# Altium PCB OZ440-SE140-CAR001.PcbDoc (part 1 of 2) (continued)
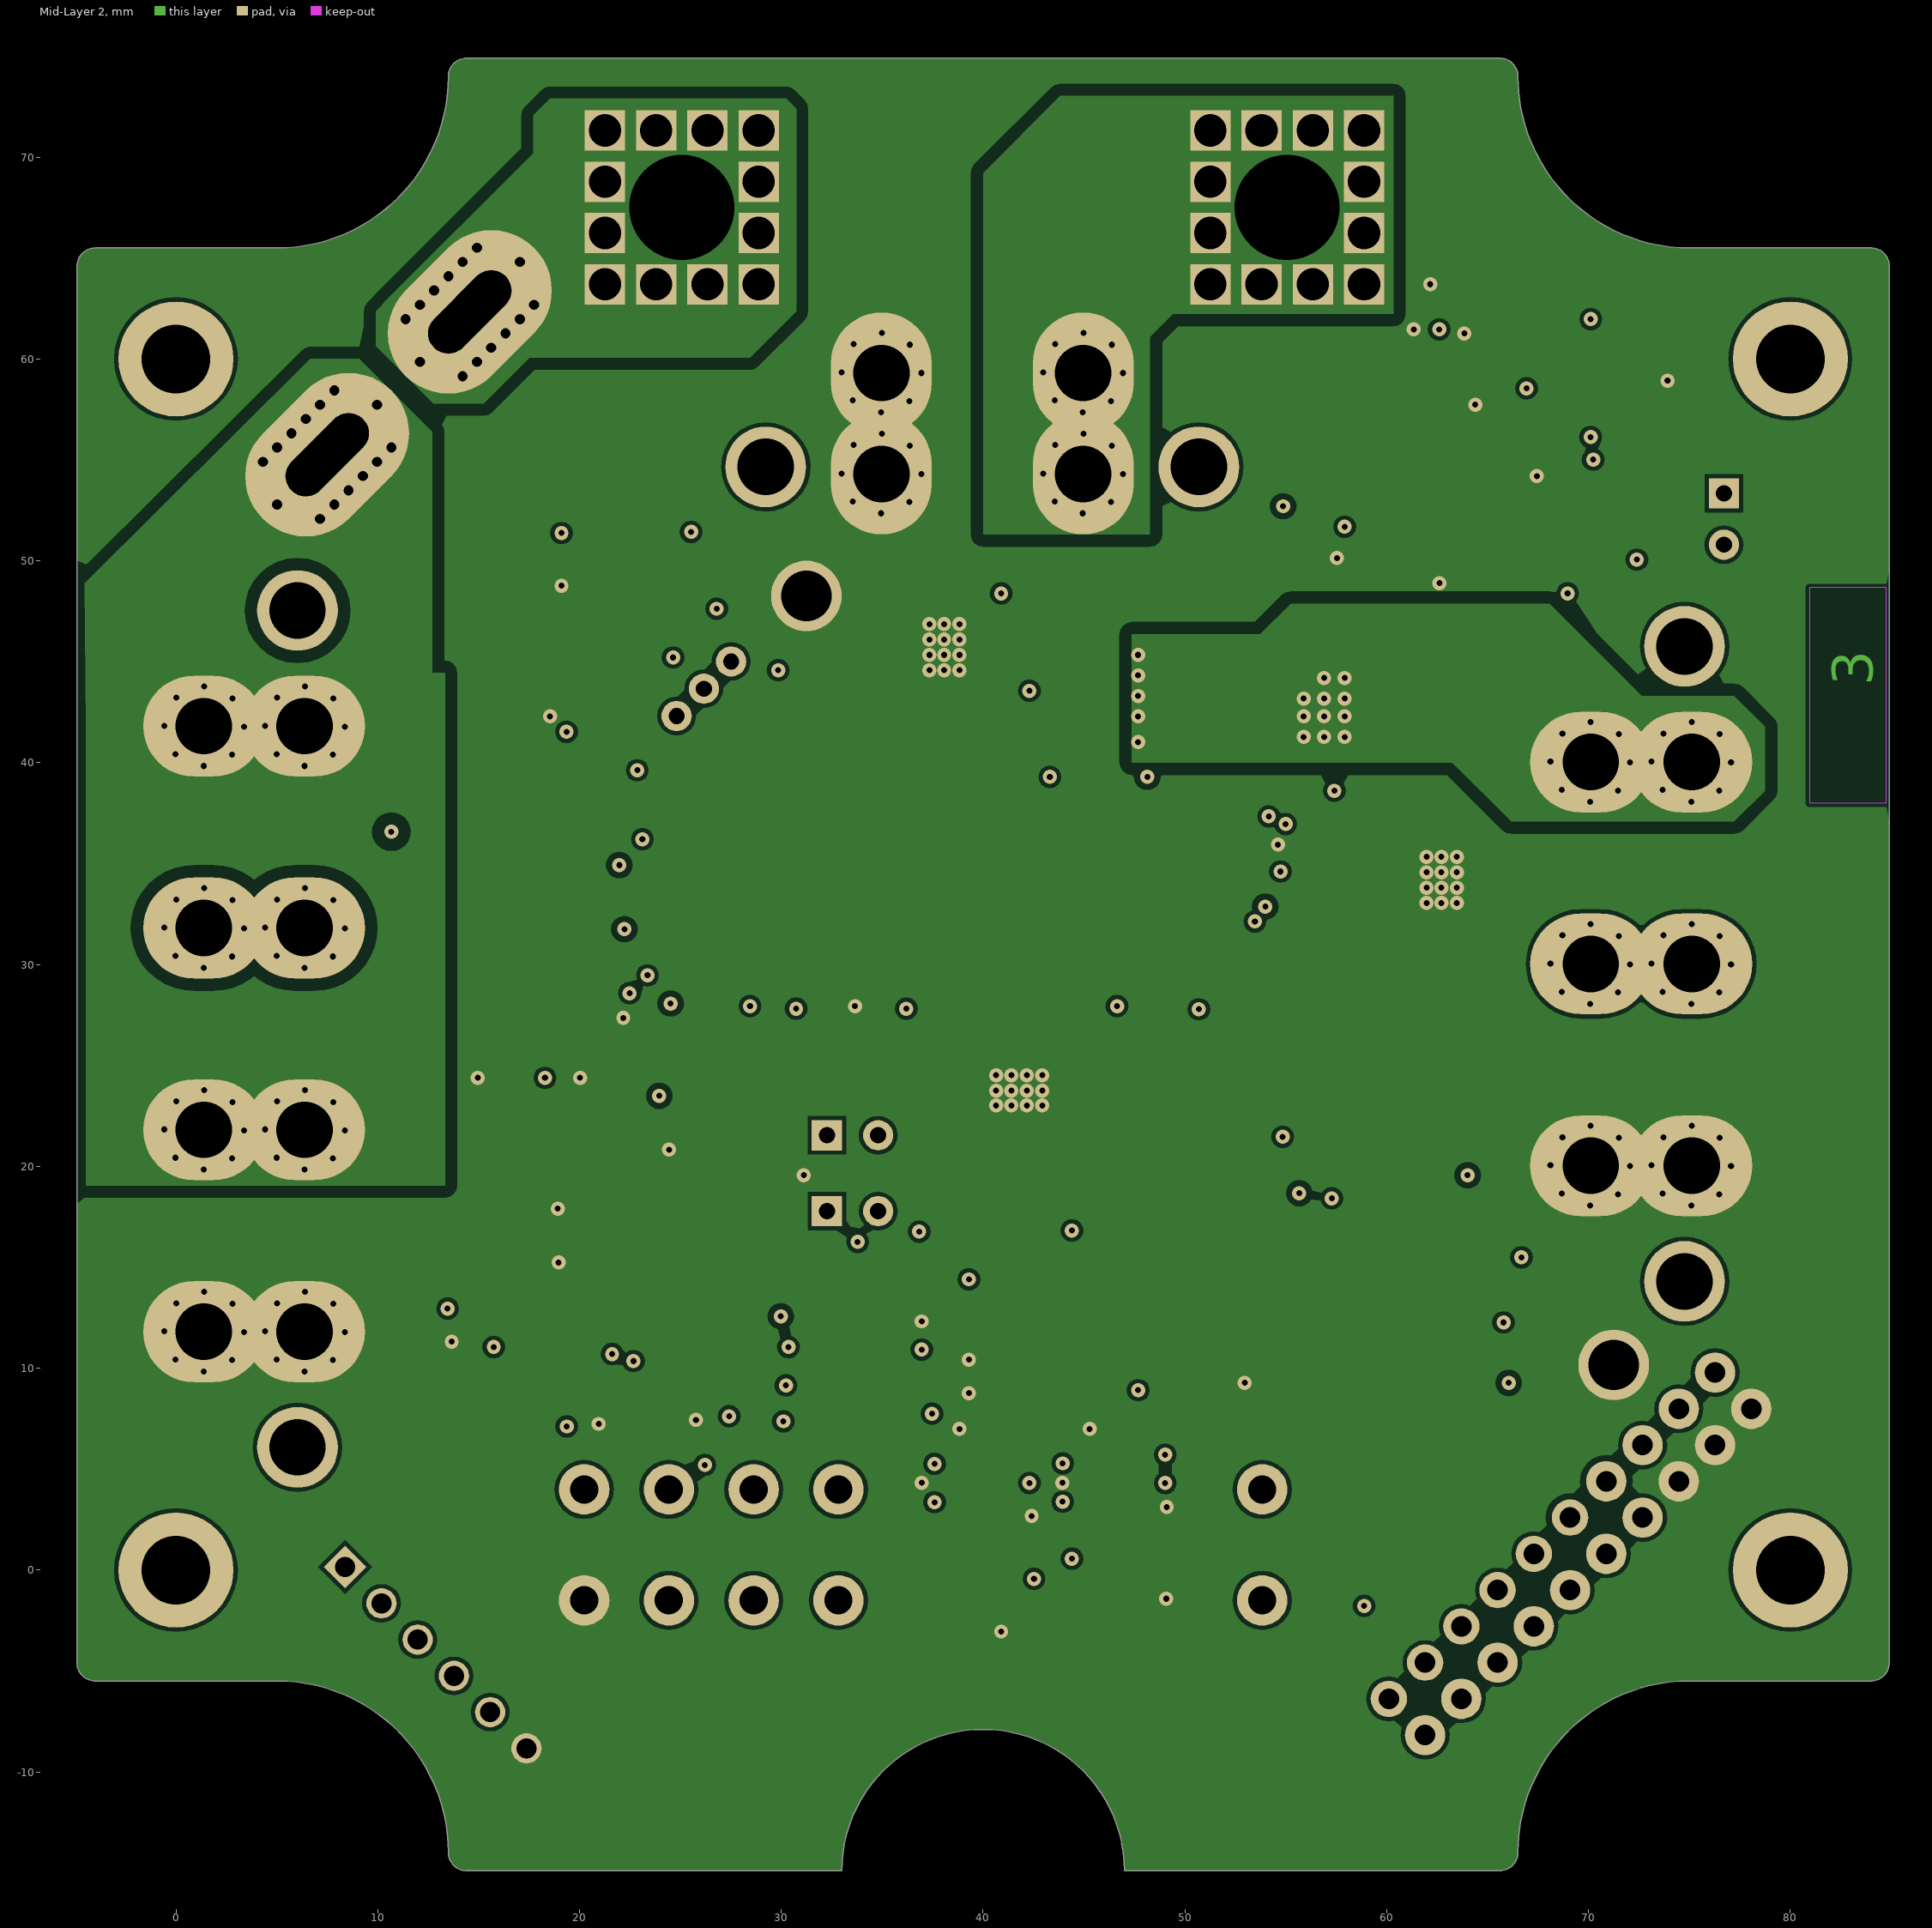
[diagram p3: Mid-Layer 2]
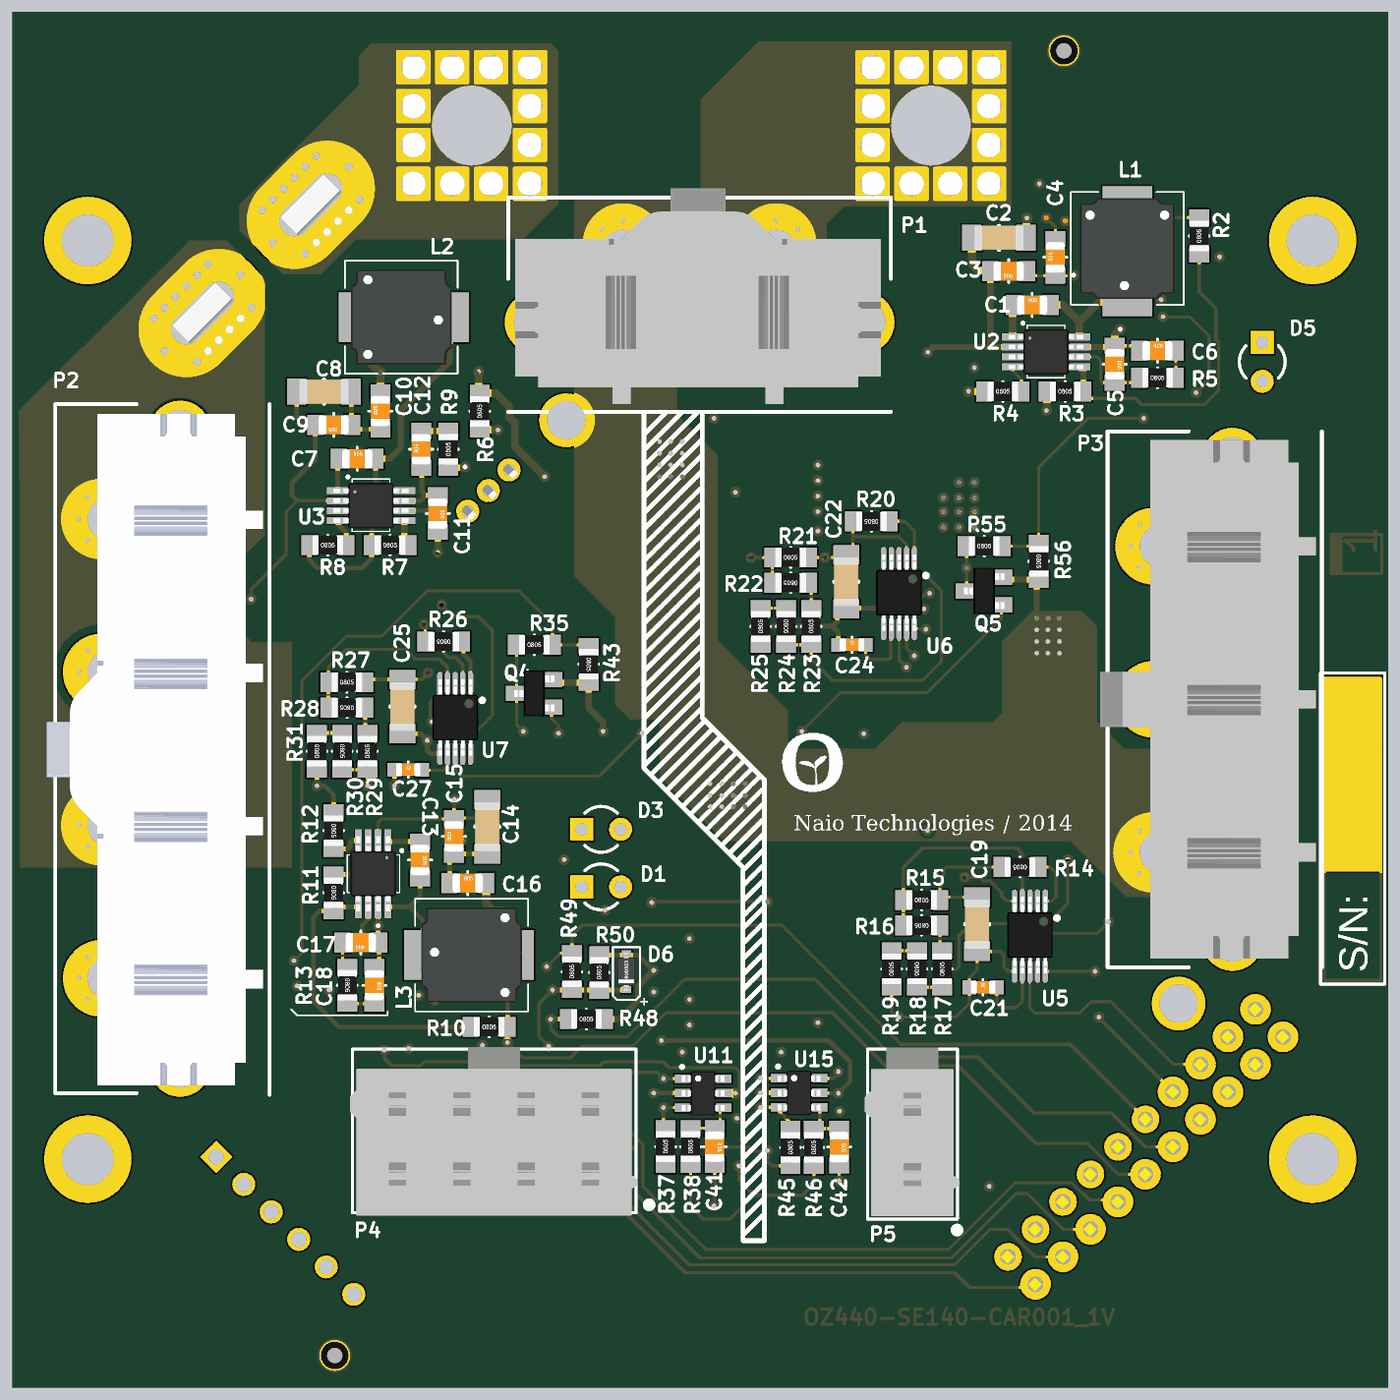
[diagram p5: 3D render of the assembled board from above, using the file's embedded part models]
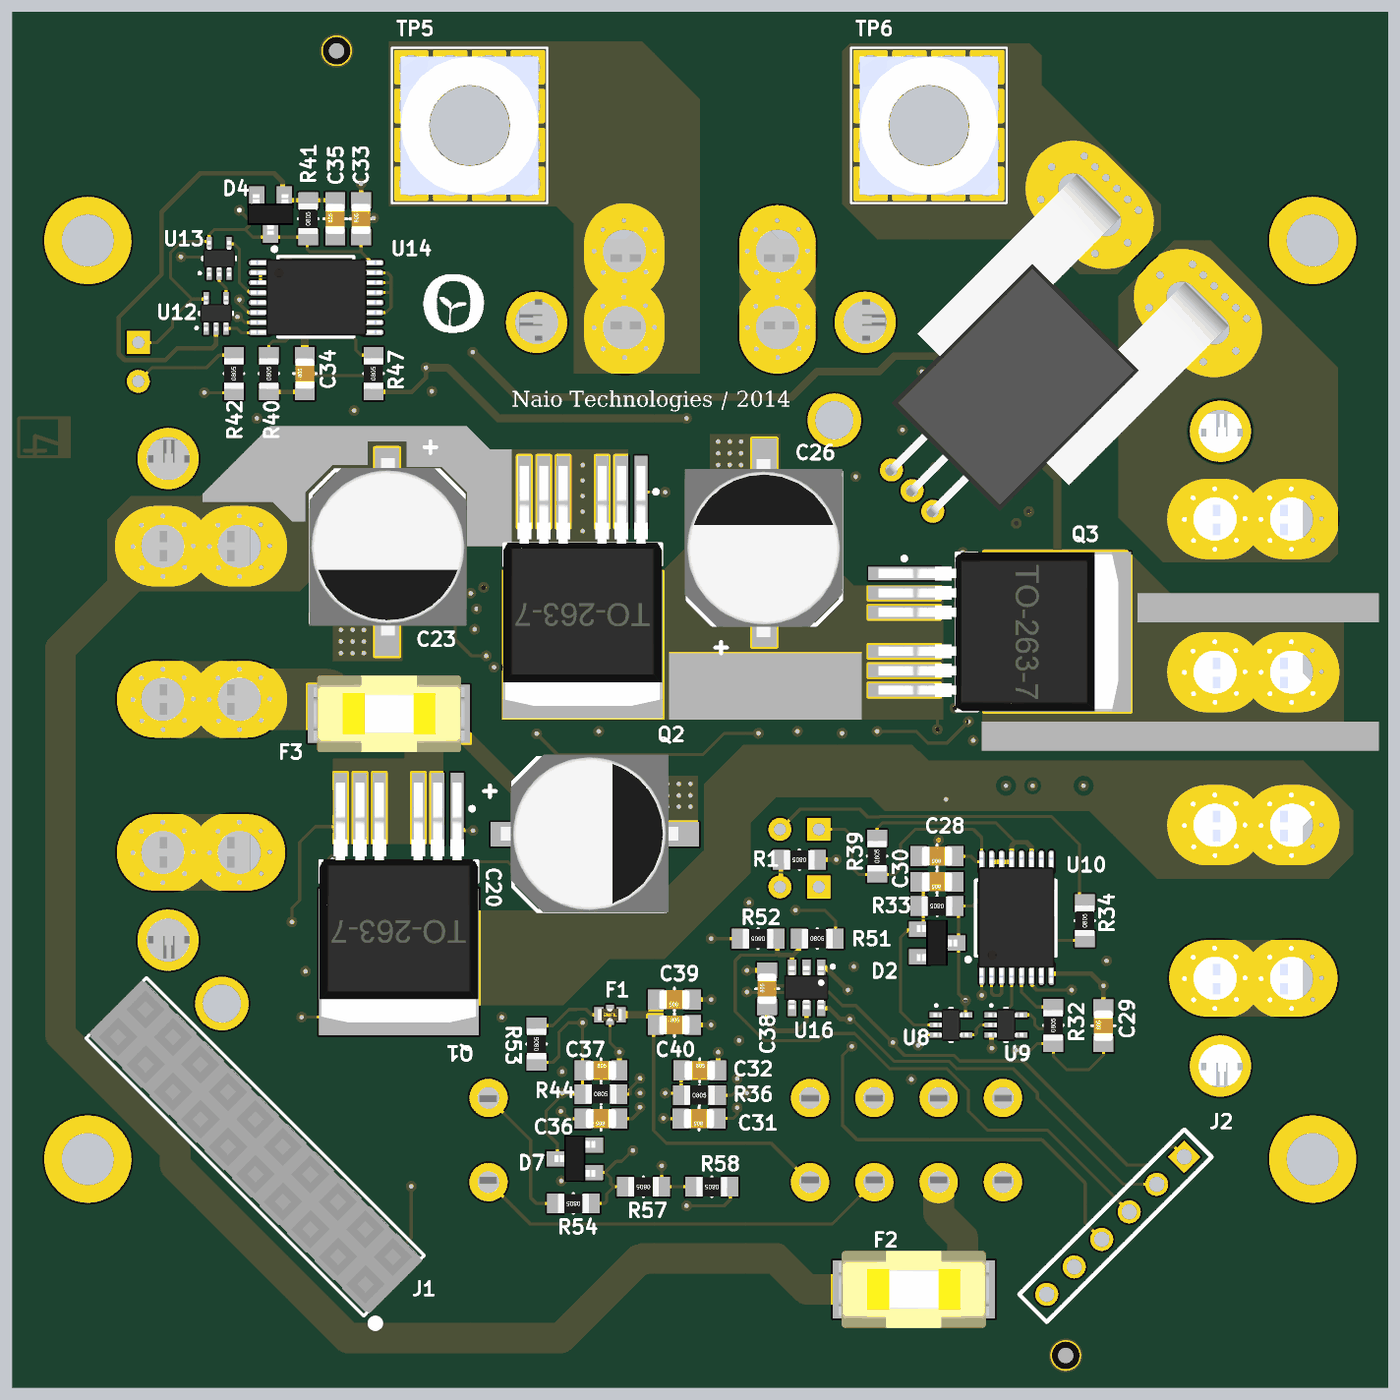
[diagram p6: 3D render of the assembled board from below, using the file's embedded part models]

## Layer stack, top to bottom
Top Layer: signal copper 0.07
Dielectric: core 0.288, FR-4, Dk 4.8
Mid-Layer 1: signal copper 0.07
Dielectric: prepreg 0.73, FR-4, Dk 4.8
Mid-Layer 2: signal copper 0.07
Dielectric: core 0.288, FR-4, Dk 4.8
Bottom Layer: signal copper 0.07

## Board outline
-3.999,-5.497 5.001,-5.497 cw(c5.001,-13.997) 13.501,-13.997 ccw(c14.401,-13.997) 14.401,-14.897 33.001,-14.897 cw(c40.001,-14.897) 47.001,-14.897 65.601,-14.897 ccw(c65.601,-13.997) 66.5,-13.997 cw(c75.001,-13.997) 75.001,-5.497 84.001,-5.497 ccw(c84.001,-4.597) 84.9,-4.597 84.9,64.603 ccw(c84.001,64.603) 84.001,65.503 75.001,65.503 cw(c75.001,74.003) 66.5,74.003 ccw(c65.601,74.003) 65.601,74.903 14.401,74.903 ccw(c14.401,74.003) 13.501,74.003 cw(c5.001,74.003) 5.001,65.503 -3.999,65.503 ccw(c-3.999,64.603) -4.899,64.603 -4.899,-4.597 ccw(c-3.999,-4.597)

## Design rules (kind name [scope] priority, off if disabled: settings)
AssemblyTestPointUsage [All] p1: valid=2
Clearance Clearance_4 [(InNet('MAIN_POWER_OUT') AND OnLayer('Mid-Layer 2')) vs InNet('GND')] p1: gap=0.6
Clearance Clearance_3 [(InNet('MAIN_POWER') AND OnLayer('Top Layer')) vs InNet('MAIN_POWER_SWITCHED')] p2: gap=0.6
Clearance Clearance_2 [(InNet('MAIN_POWER') AND OnLayer('Mid-Layer 1')) vs InNet('MAIN_POWER_SWITCHED')] p3: gap=0.6
Clearance Clearance_1 [(InNet('MAIN_POWER') AND OnLayer('Mid-Layer 2'))] p4: gap=0.6
Clearance 24V_0V [(InNet('MAIN_POWER') OR InNet('MAIN_POWER_OUT') OR InNet('MAIN_POWER_SWITCHED') OR InNet('NetC22_2')) vs InNet('GND')] p5: gap=0.3
Clearance "output clearance" [InNet('MAIN_POWER_OUT') vs OnLayer('Mid-Layer 2')] p6: gap=0.6
Clearance "input clearance (apres fuse)" [InNet('NetTP6_1') vs OnLayer('Mid-Layer 2')] p7: gap=0.6
Clearance "input clearance (avant fuse)" [InNet('NetP1_1') vs OnLayer('Mid-Layer 2')] p8: gap=0.6
Clearance [All] p9: gap=0.2
FabricationTestPointUsage [All] p1: valid=2 allowmultiple=FALSE
HoleSize [All] p1: absolutevalues=TRUE maxlimit=6 minlimit=0.025 maxpercent=80.000 minpercent=20.000
MinimumSolderMaskSliver [All] p1: minsoldermaskwidth=0.07
PolygonConnect [All] p1: connectstyle=Direct reliefconductorwidth=0.254 reliefentries=4 polygonreliefangle="90 Angle" airgapwidth=0.254
RoutingVias [All] p1: holewidth=0.3 width=0.7 viastyle="Through Hole" minholewidth=0.3 minwidth=0.6 maxholewidth=4 maxwidth=4
SilkToSilkClearance [All] p1: silktosilkclearance=0.1
SilkscreenOverComponentPads [All] p1: minsilkscreentomaskgap=0.125
SolderMaskExpansion [All] p1: expansion=0.125
Width [All] p1: maxlimit=5 minlimit=0.2 preferedwidth=0.2
22 further rules are at their usual default settings.

## Classes and differential pairs
channel class OZ440-SE140-CAR001_sheet4_Engagement_block: U_OZ440-SE140-CAR001_sheet4_Engagement_block1 U_OZ440-SE140-CAR001_sheet4_Engagement_block2
channel class OZ440-SE140-CAR001_sheet3_Power_Switch: U_OZ440-SE140-CAR001_sheet3_Power_Switch1 U_OZ440-SE140-CAR001_sheet3_Power_Switch2 U_OZ440-SE140-CAR001_sheet3_Power_Switch3
channel class OZ440-SE140-CAR001_sheet2_power_supply: U_OZ440-SE140-CAR001_sheet2_power_supply1 U_OZ440-SE140-CAR001_sheet2_power_supply2 U_OZ440-SE140-CAR001_sheet2_power_supply3
component class U_OZ440-SE140-CAR001_sheet6_Sensor_Connector: C39 C40 D7 F1 P4 P5 R53 R54 R57 R58
component class U_OZ440-SE140-CAR001_sheet5_enable_delay: C38 D6 J2 R48 R49 R50 R51 R52 U16
component class U_OZ440-SE140-CAR001_sheet4_Engagement_block2: C33 C34 C35 C36 C37 C42 D4 D5 Q5 R40 R41 R42 R44 R45 R46 R47 R55 R56 U12 U13 U14 U15
component class U_OZ440-SE140-CAR001_sheet4_Engagement_block1: C28 C29 C30 C31 C32 C41 D2 D3 Q4 R32 R33 R34 R35 R36 R37 R38 R39 R43 U8 U9 U10 U11
component class U_OZ440-SE140-CAR001_sheet3_Power_Switch3: C25 C26 C27 Q3 R26 R27 R28 R29 R30 R31 U7
component class U_OZ440-SE140-CAR001_sheet3_Power_Switch2: C22 C23 C24 Q2 R20 R21 R22 R23 R24 R25 U6
component class U_OZ440-SE140-CAR001_sheet3_Power_Switch1: C19 C20 C21 Q1 R14 R15 R16 R17 R18 R19 U5
component class U_OZ440-SE140-CAR001_sheet2_power_supply3: C13 C14 C15 C16 C17 C18 L3 R10 R11 R12 R13 U4
component class U_OZ440-SE140-CAR001_sheet2_power_supply2: C7 C8 C9 C10 C11 C12 L2 R6 R7 R8 R9 U3
component class U_OZ440-SE140-CAR001_sheet2_power_supply1: C1 C2 C3 C4 C5 C6 L1 R2 R3 R4 R5 U2
component class OZ440-SE140-CAR001_sheet1: Cent1 Cent2 Cent3 Cent4 D1 F2 F3 J1 P1 P2 P3 R1 SN1 Stack-up1 TP1 TP2 TP3 TP4 TP5 TP6 U1

## Components (designator, comment, footprint, x,y, rotation, side; value= is the part's Value field where it differs from the comment)
C1 "CAP-SMD" C0805-STD 61.684,55.788 r0 top
C2 "CAP-SMD" C1206-STD 59.512,60.173 r180 top
C3 "CAP-SMD" C0805-STD 60.15,58.001 r180 top
C4 "CAP-SMD" C0805-STD 63.195,58.903 r90 top
C5 "CAP-SMD" C0805-STD 67.075,51.918 r270 top
C6 "CAP-SMD" C0805-STD 69.869,52.807 r0 top
C7 "CAP-SMD" C0805-STD 17.596,45.745 r0 top (schematic designator C1)
C8 "CAP-SMD" C1206-STD 15.424,50.13 r180 top (schematic designator C2)
C9 "CAP-SMD" C0805-STD 16.062,47.958 r180 top (schematic designator C3)
C10 "CAP-SMD" C0805-STD 19.107,48.86 r90 top (schematic designator C4)
C11 "CAP-SMD" C0805-STD 22.86,42.164 r270 top (schematic designator C5)
C12 "CAP-SMD" C0805-STD 21.774,46.365 r90 top (schematic designator C6)
C13 "CAP-SMD" C0805-STD 21.701,19.539 r270 top (schematic designator C1)
C14 "CAP-SMD" C1206-STD 26.086,21.711 r90 top (schematic designator C2)
C15 "CAP-SMD" C0805-STD 23.914,21.073 r90 top (schematic designator C3)
C16 "CAP-SMD" C0805-STD 24.816,18.028 r0 top (schematic designator C4)
C17 "CAP-SMD" C0805-STD 17.831,14.148 r180 top (schematic designator C5)
C18 "CAP-SMD" C0805-STD 18.72,11.354 r270 top (schematic designator C6)
C19 "CAP-SMD" C1206-STD 58.09,15.342 r90 top (schematic designator C7)
C20 "CAP-POL-SMD" CAP-ELECTRO-SMD_SIZE_G 51.435,21.209 r90 bottom (schematic designator C8)
C21 "CAP-SMD" C0603-STD 58.471,11.221 r0 top (schematic designator C9)
C22 "CAP-SMD" C1206-STD 49.536,37.713 r90 top (schematic designator C7)
C23 "CAP-POL-SMD" CAP-ELECTRO-SMD_SIZE_G 60.452,44.196 r180 bottom (schematic designator C8)
C24 "CAP-SMD" C0603-STD 49.917,33.592 r0 top (schematic designator C9)
C25 "CAP-SMD" C1206-STD 20.549,29.559 r90 top (schematic designator C7)
C26 "CAP-POL-SMD" CAP-ELECTRO-SMD_SIZE_G 35.814,35.712 r0 bottom (schematic designator C8)
C27 "CAP-SMD" C0603-STD 20.93,25.438 r0 top (schematic designator C9)
C28 "CAP-SMD" C0805-STD 24.536,19.787 r0 bottom (schematic designator C10)
C29 "CAP-SMD" C0805-STD 13.665,8.712 r90 bottom (schematic designator C11)
C30 "CAP-SMD" C0805-STD 24.536,18.11 r0 bottom (schematic designator C12)
C31 "CAP-SMD" C0805-STD 40.081,2.642 r0 bottom (schematic designator C13)
C32 "CAP-SMD" C0805-STD 40.03,5.791 r180 bottom (schematic designator C14)
C33 "CAP-SMD" C0805-STD 62.154,61.417 r90 bottom (schematic designator C10)
C34 "CAP-SMD" C0805-STD 65.828,51.308 r90 bottom (schematic designator C11)
C35 "CAP-SMD" C0805-STD 63.845,61.417 r90 bottom (schematic designator C12)
C36 "CAP-SMD" C0805-STD 46.482,2.642 r0 bottom (schematic designator C13)
C37 "CAP-SMD" C0805-STD 46.482,5.791 r180 bottom (schematic designator C14)
C38 "CAP-SMD" C0805-STD 35.636,11.125 r90 bottom (schematic designator C15)
C39 "CAP-SMD" C0805-STD 41.686,10.422 r0 bottom (schematic designator C16)
C40 "CAP-SMD" C0805-STD 41.686,8.763 r180 bottom (schematic designator C17)
C41 "CAP-SMD" C0805-STD 40.945,0.813 r270 top (schematic designator C18)
C42 "CAP-SMD" C0805-STD 49.073,0.787 r270 top (schematic designator C18)
Cent1 "MEC-STD-CENTER" MEC-STD-CENTER 16.129,-12.827 r90 top
Cent2 "MEC-STD-CENTER" MEC-STD-CENTER 63.754,72.39 r90 top
Cent3 "MEC-STD-CENTER" MEC-STD-CENTER 63.754,72.39 r90 bottom
Cent4 "MEC-STD-CENTER" MEC-STD-CENTER 16.129,-12.827 r90 bottom
D1 "LED" LED_3MM 32.258,17.78 r0 top (schematic designator D4)
D2 "BAS16-SOT23" SOT23-STD 23.393,14.122 r0 bottom (schematic designator D1)
D3 "LED" LED_3MM 32.258,21.539 r0 top (schematic designator D2)
D4 "BAS16-SOT23" SOT23-STD 68.072,60.562 r90 bottom (schematic designator D1)
D5 "LED" LED_3MM 76.708,53.34 r270 top (schematic designator D2)
D6 "DIODE_ZENER-SOD323" SOD323-SPE-BZX384 35.179,13.335 r270 top (schematic designator D3)
D7 "BAS16-SOT23" SOT23-STD 49.333,0.025 r180 bottom (schematic designator D5)
F1 "LC_FILTER-STD" LC_0603-STD 45.898,9.423 r180 bottom
F2 "FUSE-SMD" F-SPE-154Series_littlefuse 29.228,-8.509 r180 bottom
F3 "FUSE-SMD" F-SPE-154Series_littlefuse 57.15,29.083 r0 bottom (schematic designator F1)
J1 "CONN-STD-20P_2ROW" CONN-SPE_ESQ-110-12-G-D 61.9,-8.179 r225 bottom (schematic designator J2)
J2 "CONN-STD-6P_1ROW" 6P_HEADER-STD_TH_1ROW 10.185,-1.651 r135 bottom (schematic designator J1)
L1 "IND-SMD" L-SPE-4600Series_Murata 67.894,56.3 r90 top
L2 "IND-SMD" L-SPE-4600Series_Murata 23.647,54.991 r180 top (schematic designator L1)
L3 "IND-SMD" L-SPE-4600Series_Murata 21.895,13.329 r0 top (schematic designator L1)
P1 "CONN-STD-2P_puissance" CONN-SPE-428192213_MOLEX 44.958,54.305 r0 top locked
P2 "CONN-STD-4P_puissance" CONN-SPE-428194213_MOLEX 6.375,41.808 r90 top locked
P3 "CONN-STD-3P_puissance" CONN-SPE-428193213_MOLEX 75.108,40.03 r90 top locked
P4 "CONN-SPE-8P_MOLEX_39-28-1083" CONN-SPE_MOLEX_39-28-1083 32.829,-1.506 r180 top locked
P5 "CONN-SPE-8P_MOLEX_39-28-1023" CONN-SPE_MOLEX_39-28-1023 53.829,-1.506 r180 top
Q1 "IPB039N10N3-PGTO263_3" TO263-3-SPE-IPB039N10N3 59.69,16.637 r270 bottom
Q2 "IPB039N10N3-PGTO263_3" TO263-3-SPE-IPB039N10N3 47.682,37.338 r270 bottom (schematic designator Q1)
Q3 "IPB039N10N3-PGTO263_3" TO263-3-SPE-IPB039N10N3 20.422,34.442 r180 bottom (schematic designator Q1)
Q4 "2N7002-SMD3P" SOT23-SPE-2N7002 28.016,30.417 r0 top (schematic designator Q2)
Q5 "2N7002-SMD3P" SOT23-SPE-2N7002 57.404,37.109 r0 top (schematic designator Q2)
R1 "RES-SMD" R0805-STD 33.528,19.558 r0 bottom (schematic designator R26)
R2 "RES-SMD" R0805-STD 72.593,60.3 r90 top (schematic designator R1)
R3 "RES-SMD" R0805-STD 63.83,50.14 r0 top (schematic designator R2)
R4 "RES-SMD" R0805-STD 59.766,50.14 r0 top (schematic designator R3)
R5 "RES-SMD" R0805-STD 69.869,51.029 r0 top (schematic designator R4)
R6 "RES-SMD" R0805-STD 25.603,48.844 r90 top (schematic designator R1)
R7 "RES-SMD" R0805-STD 19.742,40.097 r0 top (schematic designator R2)
R8 "RES-SMD" R0805-STD 15.678,40.097 r0 top (schematic designator R3)
R9 "RES-SMD" R0805-STD 23.552,46.365 r90 top (schematic designator R4)
R10 "RES-SMD" R0805-STD 26.213,8.63 r0 top (schematic designator R1)
R11 "RES-SMD" R0805-STD 16.053,17.393 r270 top (schematic designator R2)
R12 "RES-SMD" R0805-STD 16.053,21.457 r270 top (schematic designator R3)
R13 "RES-SMD" R0805-STD 16.942,11.354 r270 top (schematic designator R4)
R14 "RES-SMD" R0805-STD 60.884,19.082 r180 top (schematic designator R5)
R15 "RES-SMD" R0805-STD 54.464,16.923 r0 top (schematic designator R6)
R16 "RES-SMD" R0805-STD 54.464,15.272 r180 top (schematic designator R7)
R17 "RES-SMD" R0805-STD 55.804,12.421 r90 top (schematic designator R8)
R18 "RES-SMD" R0805-STD 54.153,12.421 r270 top (schematic designator R9)
R19 "RES-SMD" R0805-STD 52.502,12.421 r90 top (schematic designator R10)
R20 "RES-SMD" R0805-STD 51.181,41.656 r180 top (schematic designator R5)
R21 "RES-SMD" R0805-STD 45.91,39.294 r0 top (schematic designator R6)
R22 "RES-SMD" R0805-STD 45.91,37.643 r180 top (schematic designator R7)
R23 "RES-SMD" R0805-STD 47.25,34.792 r90 top (schematic designator R8)
R24 "RES-SMD" R0805-STD 45.599,34.792 r270 top (schematic designator R9)
R25 "RES-SMD" R0805-STD 43.948,34.792 r90 top (schematic designator R10)
R26 "RES-SMD" R0805-STD 23.241,33.807 r180 top (schematic designator R5)
R27 "RES-SMD" R0805-STD 16.923,31.14 r0 top (schematic designator R6)
R28 "RES-SMD" R0805-STD 16.923,29.489 r180 top (schematic designator R7)
R29 "RES-SMD" R0805-STD 18.263,26.638 r90 top (schematic designator R8)
R30 "RES-SMD" R0805-STD 16.612,26.638 r270 top (schematic designator R9)
R31 "RES-SMD" R0805-STD 14.961,26.638 r90 top (schematic designator R10)
R32 "RES-SMD" R0805-STD 16.942,8.738 r90 bottom (schematic designator R11)
R33 "RES-SMD" R0805-STD 24.536,16.535 r0 bottom (schematic designator R12)
R34 "RES-SMD" R0805-STD 14.884,15.57 r90 bottom (schematic designator R13)
R35 "RES-SMD" R0805-STD 29.159,33.592 r0 top (schematic designator R14)
R36 "RES-SMD" R0805-STD 40.056,4.166 r180 bottom (schematic designator R15)
R37 "RES-SMD" R0805-STD 37.743,0.813 r90 top (schematic designator R16)
R38 "RES-SMD" R0805-STD 39.368,0.813 r90 top (schematic designator R17)
R39 "RES-SMD" R0805-STD 28.448,19.787 r90 bottom (schematic designator R18)
R40 "RES-SMD" R0805-STD 68.18,51.308 r90 bottom (schematic designator R11)
R41 "RES-SMD" R0805-STD 65.608,61.417 r90 bottom (schematic designator R12)
R42 "RES-SMD" R0805-STD 70.46,51.308 r90 bottom (schematic designator R13)
R43 "RES-SMD" R0805-STD 32.715,32.322 r270 top (schematic designator R14)
R44 "RES-SMD" R0805-STD 46.482,4.242 r180 bottom (schematic designator R15)
R45 "RES-SMD" R0805-STD 45.898,0.762 r90 top (schematic designator R16)
R46 "RES-SMD" R0805-STD 47.422,0.762 r90 top (schematic designator R17)
R47 "RES-SMD" R0805-STD 61.341,51.308 r90 bottom (schematic designator R18)